# KiCad board 8-Bit CPU 32k.kicad_pcb (continued)
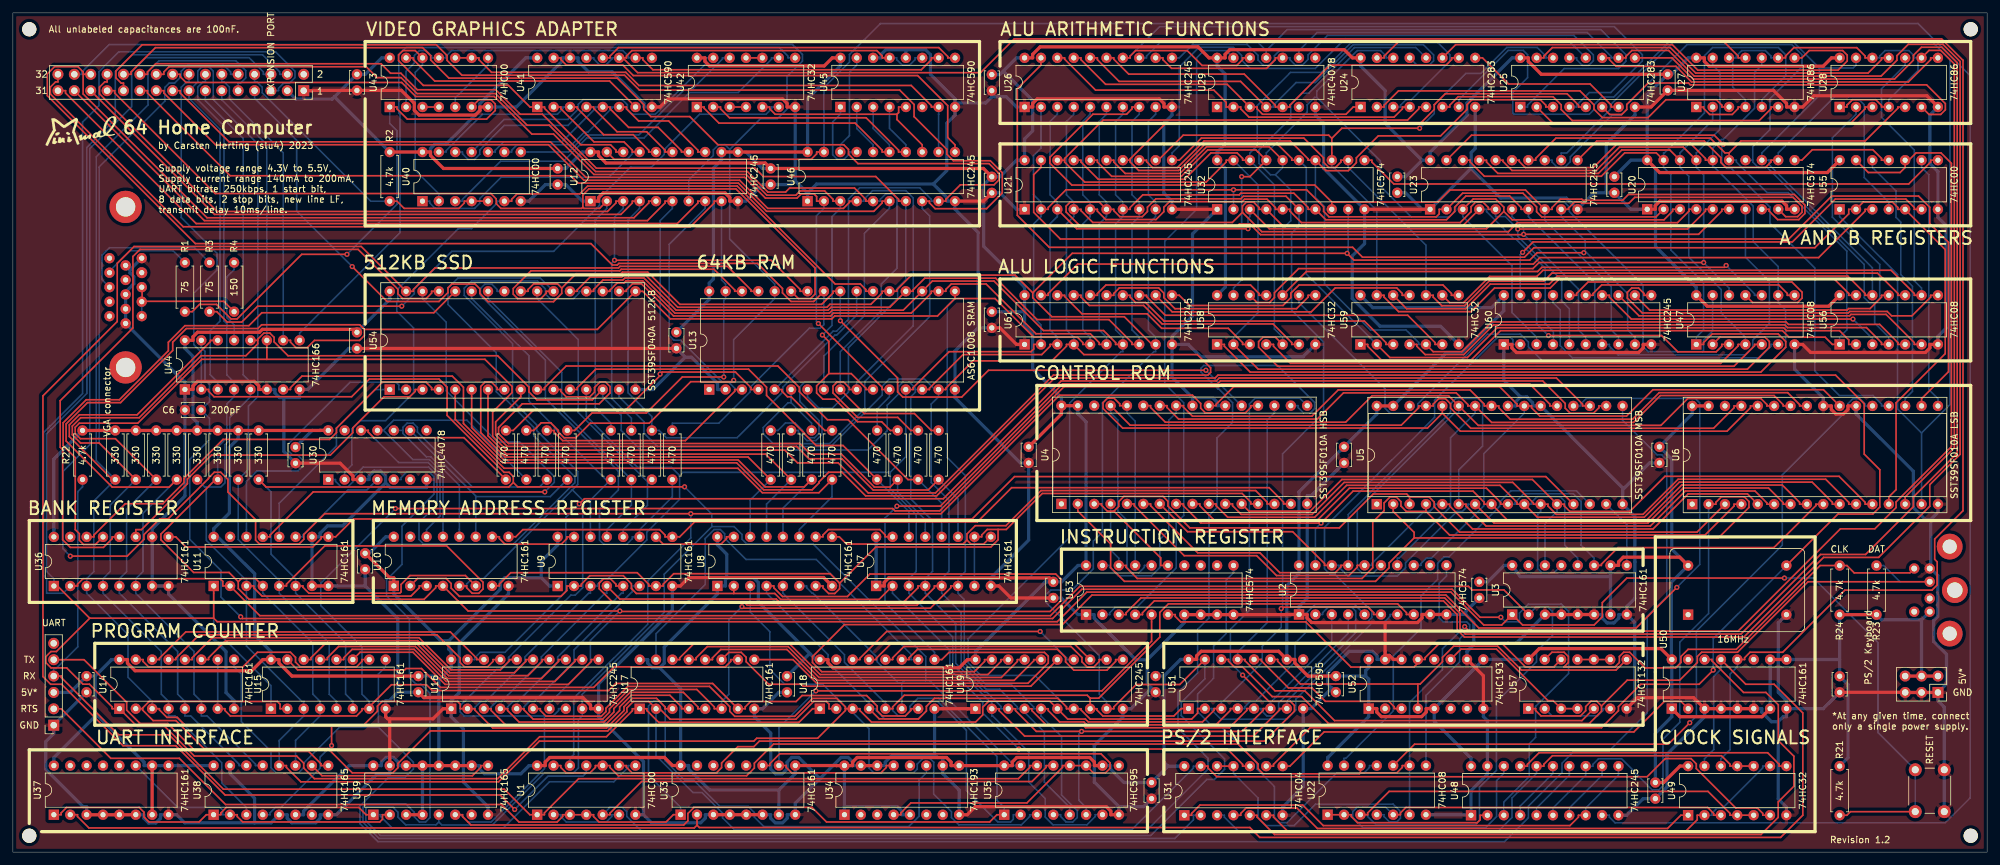
[diagram p0: board, top side]
## Routing (per net, layer and track width the routed paths; a pad name or vN(x,y) marks a point on that pad's centre or on a via; arc(x,y) is an arc through that point) (continued)
/ALU/BUS1: length 769.6
  Top w0.25: U21.3 164.93,96.7 v1(191.48,96.7) ; U44.12 37.96,79.38 ; 37.96,79.38 37.96,79.56 38.9,80.51 39.84,80.51 40.5,79.85 40.5,79.15 42.65,77 75.14,77 80.01,72.13 80.01,71.38 81.24,70.15 89.84,70.15 U54.14 ; 37.96,79.38 37.96,78.84 36.11,77 29.19,77 19.58,67.38 10.51,67.38 9.21,66.08 9.21,64.75 10.5,63.46 13.38,63.46 R31.1 ; U19.3 155.44,22.23 155.44,21.95 158.66,18.73 v1(165.68,18.73) 190.58,18.73 193.83,21.98 193.83,22.26 U51.6 ; U7.4 140.32,41.28 140.32,41 138.07,38.74 118.85,38.74 118.34,39.25 94.1,39.25 U9.4 ; U16.3 74.15,22.25 74.15,21.96 76.39,19.72 91.82,19.72 94.07,21.97 94.07,22.53 95.87,24.33 101.85,24.33 103.66,22.52 103.66,22.23 U17.4 ; U20.3 257.32,99.71 257.32,99.43 255.97,98.08 232.44,98.08 231.14,99.38 ; 231.14,99.38 231.14,100.05 229.88,101.31 226.4,101.31 U23.3 ; 231.14,99.38 228.46,96.69 194.79,96.69 U32.3 ; U13.14 142.1,71.75 142.1,71.96 147.31,77.17 159.51,77.17 160.8,78.47 160.8,78.75 U61.3
  Bottom w0.25: U61.3 161.93,79.88 160.8,81 160.8,97.45 161.93,98.58 U21.3 161.93,100.83 160.8,101.96 160.8,113.33 161.93,114.45 U26.3 ; 139.92,71.75 139.84,71.83 139.84,72.04 139,72.88 137.96,72.88 137.3,72.22 137.3,71.07 135.54,69.3 135.54,65.35 132.57,62.39 97.31,62.39 94.3,65.4 94.3,67.77 91.44,70.62 U54.14 ; 139.92,71.75 139.92,71.34 139.21,70.63 139.21,54.78 142.58,51.41 142.58,43.54 141.45,42.41 U7.4 141.45,40.16 146.16,35.45 146.16,29.3 150.64,24.82 150.97,24.82 153.18,22.61 153.18,22.23 U19.3 ; 139.92,71.75 U13.14 ; U32.3 191.78,98.58 191.48,98.29 v1(191.48,96.7) ; v1(165.68,18.73) 165.26,18.31 165.26,8.05 166.39,6.93 U35.6 ; U60.3 236.23,79.88 232.42,83.69 232.42,90.96 224.8,98.58 U23.3 ; U9.4 92.08,40.15 91.79,40.15 81.92,30.27 81.92,29.54 75.75,23.37 74.99,23.37 74.15,22.53 74.15,22.25 U16.3 ; U38.3 36.2,6.93 32.38,10.74 32.38,13.85 25.11,21.12 24.13,21.12 U14.4 24.13,23.37 23,24.5 23,31.11 13.97,40.15 U36.4 13.97,42.4 15.1,43.53 15.1,53.83 R31.1 13.37,63.46 13.37,106.29 23.56,116.48 23.56,118.61 24.23,119.29 25.06,119.29 26.1,120.32 26.1,121.13 27.25,122.28 32.49,122.28 33.75,121.02 33.75,120.65 J3.10 ; U2.3 204.48,32.72 195.15,23.39 194.96,23.39 U51.6
/ALU/BUS2: length 904.5
  Top w0.25: U9.5 93.49,41.28 93.49,41.56 92.65,42.4 91.58,42.4 90.9,41.72 90.9,40.85 92.95,38.8 113.33,38.8 113.84,38.29 140.15,38.29 142.86,41 142.86,41.28 U7.5 ; 190.62,99.23 190.62,100.21 191.24,100.83 192.35,100.83 193.19,99.99 193.19,99.7 U32.4 196.84,97.18 224.81,97.18 U23.4 ; 190.62,99.23 189.05,97.66 167.43,97.66 165.59,99.5 165.59,99.7 U21.4 ; 190.62,99.23 193.61,96.24 231.87,96.24 233.26,97.63 258.06,97.63 259.86,99.43 259.86,99.71 U20.4 ; R30.1 15.88,64.13 10.46,64.13 9.66,64.93 9.66,65.89 10.3,66.53 19.36,66.53 29.27,76.44 39.37,76.44 ; U17.5 106.2,22.23 106.2,22.52 103.94,24.78 95.68,24.78 93.17,22.26 93.17,21.72 91.62,20.18 78.48,20.18 76.69,21.96 76.69,22.25 U16.4 ; 39.37,76.44 U44.11 ; 39.37,76.44 73.18,76.44 77.38,72.24 77.38,71.28 74.38,68.27 74.38,64.5 76.53,62.34 119.68,62.34 121.64,60.38 127.94,60.38 132.61,55.72 143.03,55.72 161.3,73.99 185.27,73.99 185.69,74.41 185.69,75.12 183.63,77.17 166.04,77.17 U61.4 163.34,78.75 163.34,78.47 161.07,76.2 148.87,76.2 144.64,71.96 144.64,71.75 U13.15 ; U19.4 157.98,22.23 157.98,21.95 160.22,19.71 165.89,19.71 166.31,19.29 188.6,19.29 191.29,21.98 191.29,22.26 U51.5
  Bottom w0.25: U9.5 94.62,40.15 94.33,40.15 84.46,30.27 84.46,29.54 78.29,23.37 77.53,23.37 76.69,22.53 76.69,22.25 U16.4 ; 143.51,71.19 143.51,70.63 142.37,69.49 142.37,57.33 145.12,54.59 145.12,43.54 143.99,42.41 U7.5 143.99,40.16 147.01,37.14 147.01,29.14 150.88,25.27 152.97,25.27 155.72,22.52 155.72,22.23 156.29,22.23 ; 143.51,71.19 141.33,73.37 135.87,73.37 134.76,72.27 134.76,70.88 126.78,62.9 99.94,62.9 97.84,64.99 97.84,66.76 93.98,70.62 U54.15 ; 143.51,71.19 U13.15 ; U19.4 156.29,22.23 ; 156.29,22.23 159.91,18.61 159.91,10.86 163.84,6.93 U35.5 ; U23.4 228.46,99.7 228.46,99.36 232.67,95.15 232.98,95.15 237.57,90.55 237.57,82.02 238.83,80.76 238.83,78.81 U60.4 ; U26.4 164.47,114.45 163.34,113.33 163.34,101.96 164.47,100.83 U21.4 164.47,98.58 163.34,97.45 163.34,81 164.47,79.88 U61.4 ; R30.1 17.64,53.2 17.64,43.53 16.51,42.4 U36.5 16.51,40.15 25.54,31.11 25.54,24.5 26.67,23.37 U14.5 26.67,21.12 27.58,21.12 35.07,13.63 35.07,13.42 U38.14 ; U44.11 39.37,109.72 32.38,116.7 J3.11 ; U2.4 207.02,33.94 196.23,23.16 196.23,21.88 195.47,21.13 194.4,21.13 193.55,21.98 193.55,22.26 U51.5
/ALU/BUS3: length 762.2
  Top w0.25: U16.5 79.23,22.25 79.23,22.05 80.66,20.63 91.42,20.63 92.49,21.7 92.49,22.23 95.49,25.23 106.03,25.23 108.74,22.52 108.74,22.23 U17.6 ; U20.5 262.4,99.71 262.4,99.43 259.62,96.65 v1(233.31,96.65) ; 54.49,81.08 54.49,80.12 53.74,79.38 46.75,79.38 45.63,78.26 43.88,78.26 43.04,79.1 43.04,79.38 U44.10 ; 54.49,81.08 90.61,81.08 U54.17 97.65,86.99 101.92,82.71 126.96,82.71 127.41,83.16 143.34,83.16 146.05,85.87 ; 54.49,81.08 53.77,81.8 38.56,81.8 37.98,81.21 26.89,81.21 24.78,79.1 24.78,77.8 16.69,69.72 11.56,69.72 8.25,66.41 8.25,63.77 15.4,56.62 24.23,56.62 R29.1 ; 146.05,85.87 152.26,85.87 158.26,79.88 165.04,79.88 165.88,79.03 165.88,78.75 U61.5 ; 146.05,85.87 U13.17 ; U19.5 160.52,22.23 160.52,21.95 162.28,20.19 166.05,20.19 166.5,19.74 186.5,19.74 188.75,21.99 188.75,22.26 U51.4 ; U23.5 228.75,99.7 228.75,99.99 227.88,100.86 226.81,100.86 226.06,100.11 226.06,99.33 224.38,97.64 199.76,97.64 197.98,99.42 197.98,99.7 U32.5 195.73,99.7 195.73,99.99 194.43,101.28 190.95,101.28 190.56,100.89 179.3,100.89 178.44,100.03 178.44,99.34 177.21,98.12 169.44,98.12 168.13,99.42 168.13,99.7 U21.5 ; v1(113.03,38.08) 113.28,37.83 142.23,37.83 145.4,41 145.4,41.28 U7.6
  Bottom w0.25: U38.13 37.61,13.42 37.61,13.63 30.12,21.12 29.21,21.12 U14.6 29.21,23.37 28.08,24.5 28.08,31.11 19.05,40.15 U36.6 19.05,42.4 20.18,43.53 20.18,52.56 R29.1 ; U9.6 96.03,41.28 96.03,40.41 87,31.37 87,29.54 80.83,23.37 80.07,23.37 79.23,22.53 79.23,22.25 U16.5 ; U23.5 229.88,98.58 231.38,98.58 v1(233.31,96.65) 233.31,95.52 240.12,88.72 240.12,85.47 241.31,84.28 U60.5 ; U13.17 146.05,85.87 144.86,84.68 144.86,61.2 147.66,58.41 147.66,43.54 146.53,42.41 U7.6 146.53,40.16 147.5,39.19 147.5,29.34 150.89,25.94 154.84,25.94 158.26,22.52 158.26,22.23 U19.5 159.39,21.11 162.58,17.92 162.58,8.87 165.02,6.43 165.02,5.37 164.32,4.67 163.27,4.67 162.43,5.52 162.43,5.8 U35.4 ; U26.5 167,114.45 165.88,113.33 165.88,101.96 167,100.83 U21.5 167,98.58 165.88,97.45 165.88,81 167,79.88 U61.5 ; U51.4 191.01,22.26 191.01,22.55 191.85,23.39 192.66,23.39 198.77,29.5 198.77,32.41 200.53,34.17 200.53,37.07 201.91,38.44 207.98,38.44 U2.5 ; v1(113.03,38.08) 111,36.04 111,24.49 109.87,23.36 U17.6 ; U44.10 41.91,108.47 33.56,116.82 33.56,118.67 32.75,119.47 32.38,119.47 J3.12
/ALU/BUS4: length 840.1
  Top w0.25: U20.6 264.94,99.71 264.94,99.43 261.34,95.83 v1(234.21,95.83) 234.16,95.78 193.43,95.78 191.78,97.42 190.16,97.42 189.89,97.16 165.42,97.16 163.29,99.29 163.29,100.2 163.92,100.83 168.42,100.83 U21.6 170.67,99.7 170.67,99.51 171.61,98.57 175.09,98.57 175.9,99.37 175.9,100.04 177.2,101.34 190.37,101.34 190.77,101.73 197.37,101.73 U32.6 ; U16.6 81.77,22.25 81.77,21.96 82.66,21.08 91.23,21.08 91.94,21.79 91.94,22.31 95.33,25.71 107.99,25.71 111.14,22.56 111.14,21.83 111.91,21.06 121.2,21.06 123.97,23.84 127.75,23.84 129.06,22.53 129.06,22.25 ; 129.06,22.25 U18.3 131.32,22.25 131.32,21.96 133.11,20.17 149.24,20.17 150.36,21.28 150.36,22.47 151.29,23.41 160.76,23.41 U19.6 163.52,20.64 166.27,20.64 166.72,20.19 184.42,20.19 186.21,21.98 186.21,22.26 U51.3 ; 129.06,22.25 129.06,21.96 124.76,17.66 115.32,17.66 114.87,17.21 81.61,17.21 75.31,10.91 44.63,10.91 42.4,13.14 42.4,13.42 U38.12 ; U54.18 95.11,86.99 95.11,87.2 96.05,88.15 97.45,88.15 102.43,83.16 126.77,83.16 127.22,83.61 139.27,83.61 142.38,86.72 142.38,86.99 U13.18 144.64,86.99 144.64,87.28 145.48,88.12 150.89,88.12 158.61,80.4 167.03,80.4 168.42,79.02 168.42,78.75 U61.6 ; v1(196.63,37.77) 196.84,37.99 210.13,37.99 210.97,37.14 210.97,36.86 U2.6 ; U11.3 37.34,41.28 37.34,41 38.63,39.71 61.7,39.71 63.01,41.01 63.01,41.29 U10.3
  Bottom w0.25: U51.3 187.34,23.39 187.62,23.39 193.69,29.46 193.69,31.92 196.63,34.86 v1(196.63,37.77) 196.85,37.99 196.85,61.79 203.2,68.14 203.2,79.12 198.24,84.08 198.24,96 199.4,97.16 U32.6 ; J3.13 29.85,116.56 35.7,110.7 35.7,74.02 36.83,72.89 U44.5 36.83,70.64 33.62,67.42 33.62,63.92 32.88,63.18 32.88,57.27 32.24,56.64 29.99,56.64 ; 129.63,22.25 129.06,22.25 129.06,22.53 125.56,26.03 119.65,26.03 117.35,28.33 117.35,34.19 114.3,37.25 U8.3 ; 129.63,22.25 U18.3 ; 129.63,22.25 132.73,19.14 132.73,13.04 133.48,12.29 139.62,12.29 140.21,12.88 140.21,13.67 141.09,14.55 142.15,14.55 142.76,13.94 142.76,9 145.51,6.25 145.51,5.36 146.65,4.22 156.34,4.22 157.64,5.52 157.64,5.8 U35.3 ; U38.12 41.27,17.31 45.09,21.12 U15.3 45.09,23.37 44.8,23.37 36.21,31.96 U11.3 36.21,42.41 35.93,42.41 29.99,48.35 29.99,56.64 ; U60.6 243.85,79.88 242.72,81 242.72,87.32 v1(234.21,95.83) 234.21,96.78 232.42,98.58 U23.6 ; U61.6 169.55,79.88 168.42,81 168.42,97.45 169.55,98.58 U21.6 169.55,100.83 168.42,101.96 168.42,113.33 169.55,114.45 U26.6 ; 29.99,56.64 29.72,56.64 R28.1
/ALU/BUS5: length 848.6
  Top w0.25: U23.7 233.83,99.7 233.83,99.99 232.06,101.76 225.26,101.76 223.53,100.03 223.53,99.36 222.26,98.1 203.54,98.1 U32.7 200.81,99.7 200.81,99.99 198.59,102.2 190.37,102.2 190.12,101.95 175.17,101.95 173.21,99.99 173.21,99.7 U21.7 ; U11.4 37.6,42.44 35.43,42.44 34.94,41.95 ; U18.4 134.31,20.67 140.41,20.67 141.62,21.88 141.62,22.61 142.87,23.86 162,23.86 163.34,22.52 163.34,22.23 U19.7 165.6,22.23 165.6,22.06 167.01,20.64 182.75,20.64 183.67,21.56 183.67,22.26 U51.2 ; R27.1 31.4,57.78 22.95,49.33 22.95,48.45 28.02,43.38 33.51,43.38 34.94,41.95 ; 34.94,41.95 34.94,40.88 36.61,39.21 63.74,39.21 65.55,41.01 65.55,41.29 U10.4 70.57,37.4 v1(94.09,37.4) 94.17,37.33 160.81,37.33 162.45,38.97 162.45,42.36 161.67,43.13 132.86,43.13 129.38,39.64 119.33,39.64 117.97,41.01 117.97,41.28 U8.4 ; U61.7 170.96,78.75 170.96,79.03 169.08,80.91 159.77,80.91 152.1,88.58 142.55,88.58 U13.19 138.03,84.06 127.03,84.06 126.59,83.61 102.63,83.61 97.63,88.61 95.06,88.61 94.74,88.29 93.68,88.29 92.57,87.17 92.57,86.99 U54.19
  Bottom w0.25: U26.7 172.09,114.45 170.96,113.33 170.96,101.96 172.09,100.83 U21.7 172.09,98.58 170.96,97.45 170.96,81 172.09,79.88 U61.7 172.09,77.62 171.8,77.62 163.83,69.65 163.83,48.82 148.1,33.09 148.1,29.38 150.07,27.4 158.46,27.4 163.34,22.52 163.34,22.23 U19.7 ; U16.7 83.19,23.37 83.47,23.37 89.53,29.44 89.53,32.84 v1(94.09,37.4) ; U11.4 38.75,40.16 46.5,32.41 46.5,24.5 47.63,23.37 U15.4 47.63,21.12 43.82,17.31 U38.11 ; U8.4 116.84,40.16 126.38,30.62 126.38,29.44 132.45,23.37 132.73,23.37 U18.4 133.86,22.25 133.86,21.96 135.17,20.65 140.35,20.65 141.62,21.92 141.62,22.6 142.39,23.37 143.35,23.37 147.83,18.9 147.83,9.54 152.69,4.67 154.68,4.67 155.1,5.1 155.1,5.8 U35.2 ; R27.1 31.75,62.85 33.16,64.27 33.16,69.51 34.29,70.64 U44.4 34.29,72.89 33.16,74.02 33.16,81.95 32.71,82.4 32.71,112.64 28.67,116.69 28.67,118.67 29.48,119.47 29.85,119.47 J3.14 ; U23.7 234.95,98.58 245.26,88.27 245.26,81 246.38,79.88 U60.7 247.51,78.75 247.51,78.47 248.85,77.13 268.57,77.13 269.74,78.29 269.74,79.41 272.31,81.99 272.31,88.57 268.61,92.27 U20.7 ; U2.7 213.51,36.86 213.51,36.58 212.67,35.73 210.92,35.73 198.9,23.72 198.9,22.06 197.47,20.63 187.28,20.63 185.93,21.98 185.93,22.26 U51.2
/ALU/BUS6: length 949.3
  Top w0.25: U18.5 136.4,22.25 136.4,22.53 138.2,24.33 166.56,24.33 167.01,23.88 ; U39.6 69.71,5.8 69.71,5.52 71.02,4.21 104.01,4.21 104.65,4.85 104.65,5.99 105.6,6.94 123.87,6.94 126.14,4.67 151.43,4.67 152.56,5.8 U35.1 ; U11.5 42.42,41.28 42.42,41.57 48.35,47.5 67.25,47.5 72.88,41.86 72.88,40.81 72.22,40.15 71.2,40.15 70.34,41.01 70.34,41.29 U10.5 ; U61.8 173.5,78.75 173.5,79.03 169.93,82.6 158.79,82.6 152.37,89.03 141.37,89.03 139.56,87.21 139.56,86.99 U13.20 135.95,84.52 126.85,84.52 126.4,84.06 102.82,84.06 97.83,89.06 94.87,89.06 94.55,88.74 91.49,88.74 90.03,87.27 90.03,86.99 U54.20 ; 204.48,100.83 220.9,100.83 222.76,102.7 234.5,102.7 U23.8 238.62,99.7 238.62,99.99 239.91,101.28 243.23,101.28 243.4,101.11 249.56,101.11 250.46,102.01 276.18,102.01 277.83,100.37 277.83,99.06 276.88,98.11 273.59,98.11 272.28,99.43 272.28,99.71 U20.8 ; 204.48,100.83 201.84,103.47 164.17,103.47 160.77,106.87 160.77,107.78 167.44,114.45 172.66,114.45 173.5,115.3 173.5,115.58 U26.8 ; 204.48,100.83 U32.8 ; U2.8 216.05,36.86 216.05,37.14 214.68,38.51 179.14,38.51 177.81,37.17 177.81,33.34 168.35,23.88 167.01,23.88 ; 167.01,23.88 U19.8 168.06,22.23 168.06,22.02 168.98,21.11 179.98,21.11 181.13,22.26 U51.1
  Bottom w0.25: U39.6 69.71,5.8 69.71,5.52 70.57,4.66 74.12,4.66 82.41,12.95 82.41,21.12 ; U60.8 248.93,79.88 247.8,81 247.8,87.7 237.5,98 U23.8 ; 86.73,56.19 87.58,57.04 87.58,59.01 81.2,65.39 81.2,66.28 77.47,70.01 77.47,78.88 69.97,86.38 69.97,87.45 71.12,88.6 81.31,88.6 82.55,87.36 82.55,86.59 83.31,85.83 86.9,85.83 87.77,86.71 87.77,86.99 U54.20 ; 86.73,56.19 88.54,54.38 88.54,53.71 88.34,53.52 88.34,41.02 87.17,39.86 86.5,39.86 76.84,30.19 76.84,29.46 75.7,28.33 74.95,28.33 69.32,22.7 69.32,21.75 69.96,21.12 82.41,21.12 ; 86.73,56.19 72.96,42.42 71.18,42.42 70.34,41.58 70.34,41.29 U10.5 ; U16.8 84.6,22.25 84.6,21.96 83.76,21.12 82.41,21.12 ; U61.8 174.62,79.88 173.5,81 173.5,97.45 174.62,98.58 U21.8 174.62,100.83 173.5,101.96 173.5,113.33 174.62,114.45 U26.8 ; U8.5 119.38,40.16 128.92,30.62 128.92,29.44 134.99,23.37 135.27,23.37 U18.5 136.4,22.25 136.4,21.96 137.24,21.12 138.29,21.12 139.08,21.91 139.08,22.64 140.29,23.86 143.53,23.86 152.56,14.83 152.56,8.05 153.69,6.93 U35.1 ; U44.3 31.75,72.89 30.59,74.05 30.59,80.86 32.11,82.38 32.11,112.13 27.3,116.93 J3.15 28.67,119.47 28.67,121.18 29.32,121.83 30.38,121.83 31.04,121.16 31.04,116.77 37.97,109.85 37.97,70.64 36.51,69.18 36.51,59.37 R26.1 34.93,48.49 41.01,42.41 41.29,42.41 U11.5 41.29,40.16 49.04,32.41 49.04,24.5 50.16,23.37 U15.5
/ALU/BUS7: length 999.4
  Top w0.25: 158.12,86.76 158.12,86 161.06,83.05 172.3,83.05 176.6,78.75 U61.9 ; 158.12,86.76 155.37,89.5 139.31,89.5 137.02,87.21 137.02,86.99 U13.21 134.76,86.99 134.76,86.72 133.01,84.97 126.67,84.97 126.21,84.52 103.08,84.52 98.08,89.51 94.69,89.51 94.36,89.19 89.48,89.19 87.49,87.19 87.49,86.99 U54.21 ; 158.12,86.76 164.23,92.88 v1(206.85,92.88) 207.91,91.82 235.16,91.82 236.31,92.98 v1(243.55,92.98) ; 77.58,57.34 77.58,58.26 76.93,58.91 76.15,58.91 67.31,67.75 67.31,72.13 66.06,73.38 55.26,73.38 52.52,70.64 31.18,70.64 30.34,71.48 30.34,71.76 U44.2 ; 77.58,57.34 76.87,56.63 39.26,56.63 R25.1 ; 77.58,57.34 78.26,56.66 v1(104.13,56.66) ; U51.15 180.91,26 174.16,26 170.68,22.52 170.68,22.23 U19.9 ; U11.6 44.96,41.28 44.96,41.09 45.89,40.16 59.98,40.16 60.18,40.36 60.18,41.52 61.56,42.9 70.15,42.9 U10.6 ; U20.9 274.84,98.57 276.69,98.57 277.37,99.25 277.37,100.18 275.99,101.56 251.44,101.56 250.53,100.64 243.23,100.64 243.04,100.83 242.11,100.83 241.16,99.88 241.16,99.7 U23.9
  Bottom w0.25: U18.6 137.81,26.23 ; U44.2 29.21,77.55 28.06,78.7 28.06,86.71 31.65,90.31 31.65,92.88 26.1,98.43 26.1,118.64 26.94,119.47 27.3,119.47 J3.16 ; 66.04,4.67 65.59,4.22 60.9,4.22 59.69,5.43 59.69,6.2 58.92,6.97 54.93,6.97 54.72,6.76 54.72,4.83 56.98,2.57 176.39,2.57 185.1,11.28 186.28,11.28 187.85,12.85 187.85,14.45 181.13,21.17 181.13,23.2 184.8,26.87 U51.15 ; 66.04,4.67 66.51,4.21 74.32,4.21 82.41,12.29 86.9,12.29 87.68,13.07 87.68,20.53 88.27,21.12 U16.9 88.27,24.47 100.97,37.17 100.97,43.09 108.37,50.49 ; 66.04,4.67 U39.5 ; 141.53,26.6 142.12,26.6 155.1,13.62 155.1,13.42 U35.15 ; 141.53,26.6 138.19,26.6 137.81,26.23 ; 141.53,26.6 141.53,30.33 124.08,47.78 113.79,47.78 113.03,48.54 113.03,49.27 111.81,50.49 108.37,50.49 ; 243.77,93.2 v1(243.55,92.98) ; 243.77,93.2 250.34,86.63 250.34,81 251.47,79.88 U60.9 ; 243.77,93.2 243.77,94.84 240.04,98.58 U23.9 ; U15.6 52.71,23.37 51.58,24.5 51.58,32.41 43.83,40.16 U11.6 43.83,42.41 40.02,46.22 40.02,55.86 R25.1 ; U8.6 123.05,41.28 123.05,41.03 123.92,40.16 124.05,40.16 134,30.2 134,29.52 137.29,26.23 137.81,26.23 ; 108.37,50.49 108.37,52.43 v1(104.13,56.66) ; U19.9 169.55,23.36 168.42,24.49 168.42,30.49 160.15,38.76 160.15,39.9 160.91,40.65 164.21,40.65 167.5,43.94 167.5,48.23 168.91,49.64 168.91,69.65 176.88,77.62 177.17,77.62 U61.9 177.17,79.88 176.04,81 176.04,97.45 177.17,98.58 U21.9 177.17,100.83 176.04,101.96 176.04,113.33 177.17,114.45 U26.9 ; v1(206.85,92.88) 207.02,93.04 U32.9
/ALU/EC: length 210.4
  Bottom w0.25: 295.91,65.02 295.91,55.1 295.91,55.1 U6.15 ; 295.91,65.02 292.18,68.74 292.18,89.6 283.2,98.58 U55.1 ; 295.91,65.02 300.31,69.42 300.31,122.93 297.09,126.16 257.24,126.16 248.21,117.13 246.35,117.13 245.12,115.9 245.12,115.18 244.4,114.45 232.72,114.45 232.54,114.64 232.54,117.84 234.83,120.13 234.83,123.69 234.16,124.36 231.82,124.36 224.17,116.71 U24.7
/ALU/ES: length 170.1
  Top w0.25: U27.9 274.81,123.2 274.81,123.48 276.11,124.78 285.86,124.78 287.16,123.48 287.16,123.2 U28.12 ; U28.1 284.33,115.58 284.33,115.86 285.17,116.71 288.81,116.71 289.7,115.82 289.7,115.58 U28.4 ; U27.4 267.48,115.58 267.48,115.34 266.56,114.42 263.06,114.42 262.11,115.37 262.11,115.58 U27.1 ; U28.9 297.06,124.36 298.89,124.36 300.99,122.26 300.99,62.71 293.37,55.1 U6.14
  Bottom w0.25: U27.4 268.61,116.71 266.63,118.68 266.63,123.2 ; U28.1 284.33,115.58 284.33,115.86 285.17,116.71 286.23,116.71 287.01,115.92 287.01,104.64 290.82,100.83 U55.4 ; 266.63,123.2 267.19,123.2 267.19,123.48 268.03,124.33 271.72,124.33 272.56,123.48 272.56,123.2 U27.9 ; 266.63,123.2 U27.12 ; U28.9 295.36,123.2 ; 295.36,123.2 295.36,121.24 290.82,116.71 U28.4 ; 295.36,123.2 294.78,123.2 294.78,123.48 293.94,124.33 290.25,124.33 289.41,123.48 289.41,123.2 U28.12
/ALU/FLAG_C: length 262.8
  Top w0.25: U25.9 257.21,123.2 260.49,119.92 291.72,119.92 294.63,122.83 294.63,123.59 295.9,124.85 299.03,124.85 301.44,122.44 301.44,61.89 294.64,55.09 294.64,53.58 287.23,46.17 280.25,46.17 267.91,33.82 225.21,33.82 224.35,34.68 224.35,37.05 221.98,39.42 174.88,39.42 172.58,37.12 172.58,36.84 U53.3
/ALU/FLAG_N: length 343.2
  Top w0.25: U53.4 175.12,36.84 175.12,37.12 176.96,38.96 221.79,38.96 223.9,36.85 223.9,34.49 225.03,33.36 268.36,33.36 280.72,45.72 289.26,45.72 297.18,53.64 297.18,56.99 301.89,61.7 301.89,122.63 299.22,125.3 293.85,125.3 292.1,123.55 292.1,122.83 289.63,120.37 260.67,120.37 256.7,124.35 251,124.35 250.06,123.4 250.06,123.2 U25.10
  Bottom w0.25: 199.39,124.33 202.19,127.13 244.08,127.13 247.81,123.4 247.81,123.2 U25.10 ; 199.39,124.33 196.37,124.33 195.58,123.53 195.58,122.88 194.74,122.05 193.86,122.05 193.03,122.87 193.03,123.6 191.35,125.28 182.91,125.28 180.83,123.2 U26.11 ; 199.39,124.33 U29.9
/ALU/FLAG_Z: length 104.1
  Bottom w0.25: U29.13 188.1,124.32 184.65,124.32 183.52,123.19 183.52,99.69 178.58,94.76 178.58,72.65 181.52,69.71 181.52,52.2 180.34,51.02 180.34,44.08 174.23,37.97 170.88,37.97 170.04,37.12 170.04,36.84 168.92,36.84
/ALU/~{EO}: length 222.8
  Top w0.25: 293.34,99.7 299.58,93.46 299.58,77.32 291.96,69.69 291.96,56.22 290.83,55.1 U6.13 ; 293.34,99.7 292.24,99.7 292.24,99.99 291.38,100.85 286.89,100.85 U55.2 284.62,99.7 284.62,99 279.36,93.75 235.81,93.75 234.34,92.28 209.24,92.28 207.71,93.81 160.67,93.81 155.72,98.77 155.72,118.41 159.39,122.07 U26.19 ; 293.34,99.7 U55.5
/Control Logic/AI: length 39.2
  Bottom w0.25: 295.91,107.32 295.91,106.2 297.03,105.07 297.03,71.75 298.45,70.34 U6.17
/Control Logic/BI: length 41.2
  Bottom w0.25: 288.29,107.32 288.29,106.2 291.95,102.53 291.95,98.45 292.69,97.71 292.69,89.58 294.5,87.77 294.5,71.46 293.37,70.34 U6.19
/Control Logic/CE: length 354.1
  Top w0.25: U15.7 54.96,22.25 ; 54.96,22.25 58.69,25.97 64.11,25.97 65.01,25.06 92.36,25.06 93.46,26.16 108.49,26.16 U17.7 113.54,22.23 113.54,22.52 114.38,23.36 121.43,23.36 122.36,24.29 132.36,24.29 134,22.64 134,21.92 134.8,21.12 138.36,21.12 139.22,21.98 139.22,22.25 U18.7 ; 54.96,22.25 54.12,22.25 54.12,21.96 53.28,21.12 33.72,21.12 32.88,21.96 32.88,22.25 U14.7 ; v1(59.3,53.29) 136.4,53.29 136.75,52.94 143.69,52.94 162.94,72.19 186.94,72.19 187.39,72.64 235.13,72.64 238.27,69.49 238.27,69.21 U5.21
  Bottom w0.25: U15.7 55.24,23.37 54.12,24.5 54.12,31.84 47.73,38.23 47.73,41.71 v1(59.3,53.29) ; 31.75,29.86 U14.7
/Control Logic/FI: length 67
  Bottom w0.25: 244.48,53.97 242.41,56.04 232.22,56.04 230.5,54.32 230.5,53.65 222.64,45.78 221.88,45.78 220.89,44.79 220.89,42.32 218.3,39.73 218.3,34.71 214.01,30.42 214.01,21.9 206.65,14.55 206.37,14.55 U22.13
/Control Logic/Flag0: length 141.6
  Top w0.25: U4.25 181.47,69.25 181.47,69.03 182.88,67.62 201.4,67.62 205.47,71.69 225.91,71.69 228.11,69.49 228.11,69.21 U5.25 230.36,69.21 230.36,68.93 232.14,67.15 251.11,67.15 255.23,71.27 275.15,71.27 277,69.41 277,69.21 U6.25
  Bottom w0.25: U4.25 180.34,68.12 179.21,67 179.21,49.89 177.81,48.48 177.81,44.14 176.53,42.86 171.36,42.86 170.04,44.18 170.04,44.46 168.92,44.46
/Control Logic/Flag1: length 123.8
  Top w0.25: 219.07,52.84 222.74,49.18 262.34,49.18 266.84,53.69 266.84,53.97 U6.4 ; 219.07,52.84 U5.4 ; 219.07,52.84 216.03,52.84 215.19,53.68 215.19,54.37 214.47,55.1 213.52,55.1 212.58,54.16 212.58,52.96 210.82,51.2 210.82,44.11 209.17,42.45 174.31,42.45 172.58,44.18 172.58,44.46 U53.18
  Bottom w0.25: U53.18 171.46,45.59 170.18,46.86 U4.4
/Control Logic/Flag2: length 138.7
  Top w0.25: U4.28 171.59,69.25 171.59,69.53 170.71,70.41 169.7,70.41 169.01,69.72 169.01,68.82 172.05,65.77 219.3,65.77 221.62,68.08 ; U5.28 221.62,68.08 ; 221.62,68.08 224.41,65.29 265.75,65.29 269.38,68.93 269.38,69.21 U6.28
  Bottom w0.25: U53.17 174,66.85 172.72,68.12 U4.28
/Control Logic/Flag3: length 135.9
  Top w0.25: U6.29 266.84,69.21 266.84,68.93 263.66,65.74 226.02,65.74 222.88,68.88 222.88,69.54 222.09,70.34 221.04,70.34 220.2,69.49 220.2,69.21 U5.29 217.95,69.21 217.95,68.93 215.24,66.22 173.21,66.22 U4.29
  Bottom w0.25: U4.29 170.18,68.12 171.31,67 171.31,52.89 172.73,51.47 172.73,44.13 173.53,43.32 174.55,43.32 175.41,44.18 175.41,44.46 U53.16
/Control Logic/Flag4: length 122.7
  Top w0.25: 216.54,53.97 216.54,55.1 ; 216.54,55.1 219.56,55.1 220.35,54.31 220.35,53.57 224.29,49.63 261.09,49.63 U6.3 ; 216.54,55.1 216.08,55.55 210.9,55.55 205.65,50.3 182.46,50.3 179.07,53.69 179.07,54.41 178.3,55.18 172.25,55.18 171.45,54.38 171.45,53.63 170.7,52.88 ; 170.7,52.88 169.68,52.88 168.77,53.8 168.77,54.01 U4.3 ; 170.7,52.88 177.95,45.64 177.95,44.46 179.08,44.46
/Control Logic/II: length 113.1
  Top w0.25: v1(259.97,20.07) 256.64,16.73 217.3,16.73 U22.10
  Bottom w0.25: v1(259.97,20.07) 261,21.1 261,34.29 274.32,47.61 274.32,58.52 284.48,68.68 284.48,69.55 285.26,70.34 286.32,70.34 287.16,69.49 287.16,69.21 U6.21
/Control Logic/Inst0: length 113.8
  Top w0.25: U6.8 277,53.97 277,54.25 274.32,56.93 258.73,56.93 253.28,51.49 231.72,51.49 U5.8 228.11,53.97 228.11,54.25 226.37,56 207.78,56 v1(202.82,51.04) 184.16,51.04 181.47,53.73 181.47,54.01 U4.8
  Bottom w0.25: U2.19 201.94,50.15 v1(202.82,51.04)
/Control Logic/Inst1: length 112.6
  Top w0.25: U2.18 203.35,44.48 203.35,44.76 198.41,49.7 182.11,49.7 U4.7 ; U6.7 274.46,53.97 274.46,54.19 272.17,56.48 258.95,56.48 253.5,51.03 229.63,51.03 U5.7
  Bottom w0.25: U5.7 225.57,53.97 225.57,53.69 224.73,52.84 223.88,52.84 215.91,44.87 215.91,44.1 214.64,42.84 206.96,42.84 205.6,44.2 205.6,44.48 U2.18
/Control Logic/Inst2: length 145.1
  Top w0.25: U2.17 205.89,44.48 205.89,44.24 205,43.35 196.41,43.35 193.33,46.43 183.68,46.43 176.39,53.73 176.39,54.01 U4.6 ; U6.6 271.92,53.97 271.92,54.17 270.08,56.01 259.29,56.01 253.86,50.58 228.39,50.58 225.28,53.69 225.28,53.97 224.16,53.97
  Bottom w0.25: 224.16,53.97 224.16,59.28 227.85,62.97 227.85,69.65 227.13,70.37 223.7,70.37 222.88,69.55 222.88,68.22 207.02,52.35 U2.17
/Control Logic/Inst3: length 112.3
  Top w0.25: U5.5 222.74,53.97 222.74,53.69 226.3,50.13 254.28,50.13 259.72,55.56 268.92,55.56 U6.5 ; U4.5 173.85,54.01 173.85,53.73 181.59,45.98 192.83,45.98 195.91,42.9 207.13,42.9 208.43,44.2 208.43,44.48 U2.16
  Bottom w0.25: U5.5 220.49,53.97 220.49,53.69 219.65,52.84 218.76,52.84 210.68,44.76 210.68,44.48 U2.16
/Control Logic/Inst4: length 141.5
  Top w0.25: U6.27 271.92,69.21 271.92,69.44 270.99,70.37 259.68,70.37 255.5,66.19 227.17,66.19 222.58,70.79 210.72,70.79 206.62,66.69 178.67,66.69 176.39,68.97 176.39,69.25 U4.27
  Bottom w0.25: U2.15 210.93,43.31 209.13,43.31 208.43,44.01 208.43,53.06 223.45,68.08 224.16,68.08 224.16,69.21
/Control Logic/Inst5: length 134.9
  Top w0.25: U6.26 274.46,69.21 274.46,69.4 273.04,70.82 255.41,70.82 251.25,66.65 229.26,66.65 U5.26 225.57,69.21 225.57,69.43 223.76,71.24 206.29,71.24 202.22,67.17 180.73,67.17 178.93,68.97 178.93,69.25 U4.26
  Bottom w0.25: U5.26 226.69,68.08 222.88,64.27 222.88,53.57 214.92,45.61 214.63,45.61 U2.14
/Control Logic/Inst6: length 137
  Top w0.25: U6.23 280.7,71.72 254.26,71.72 250.17,67.63 236.73,67.63 235.44,68.93 235.44,69.21 U5.23 233.19,69.21 233.19,69.49 230.5,72.18 189.27,72.18 186.55,69.46 186.55,69.25 U4.23